# KiCad board clock25.kicad_pcb
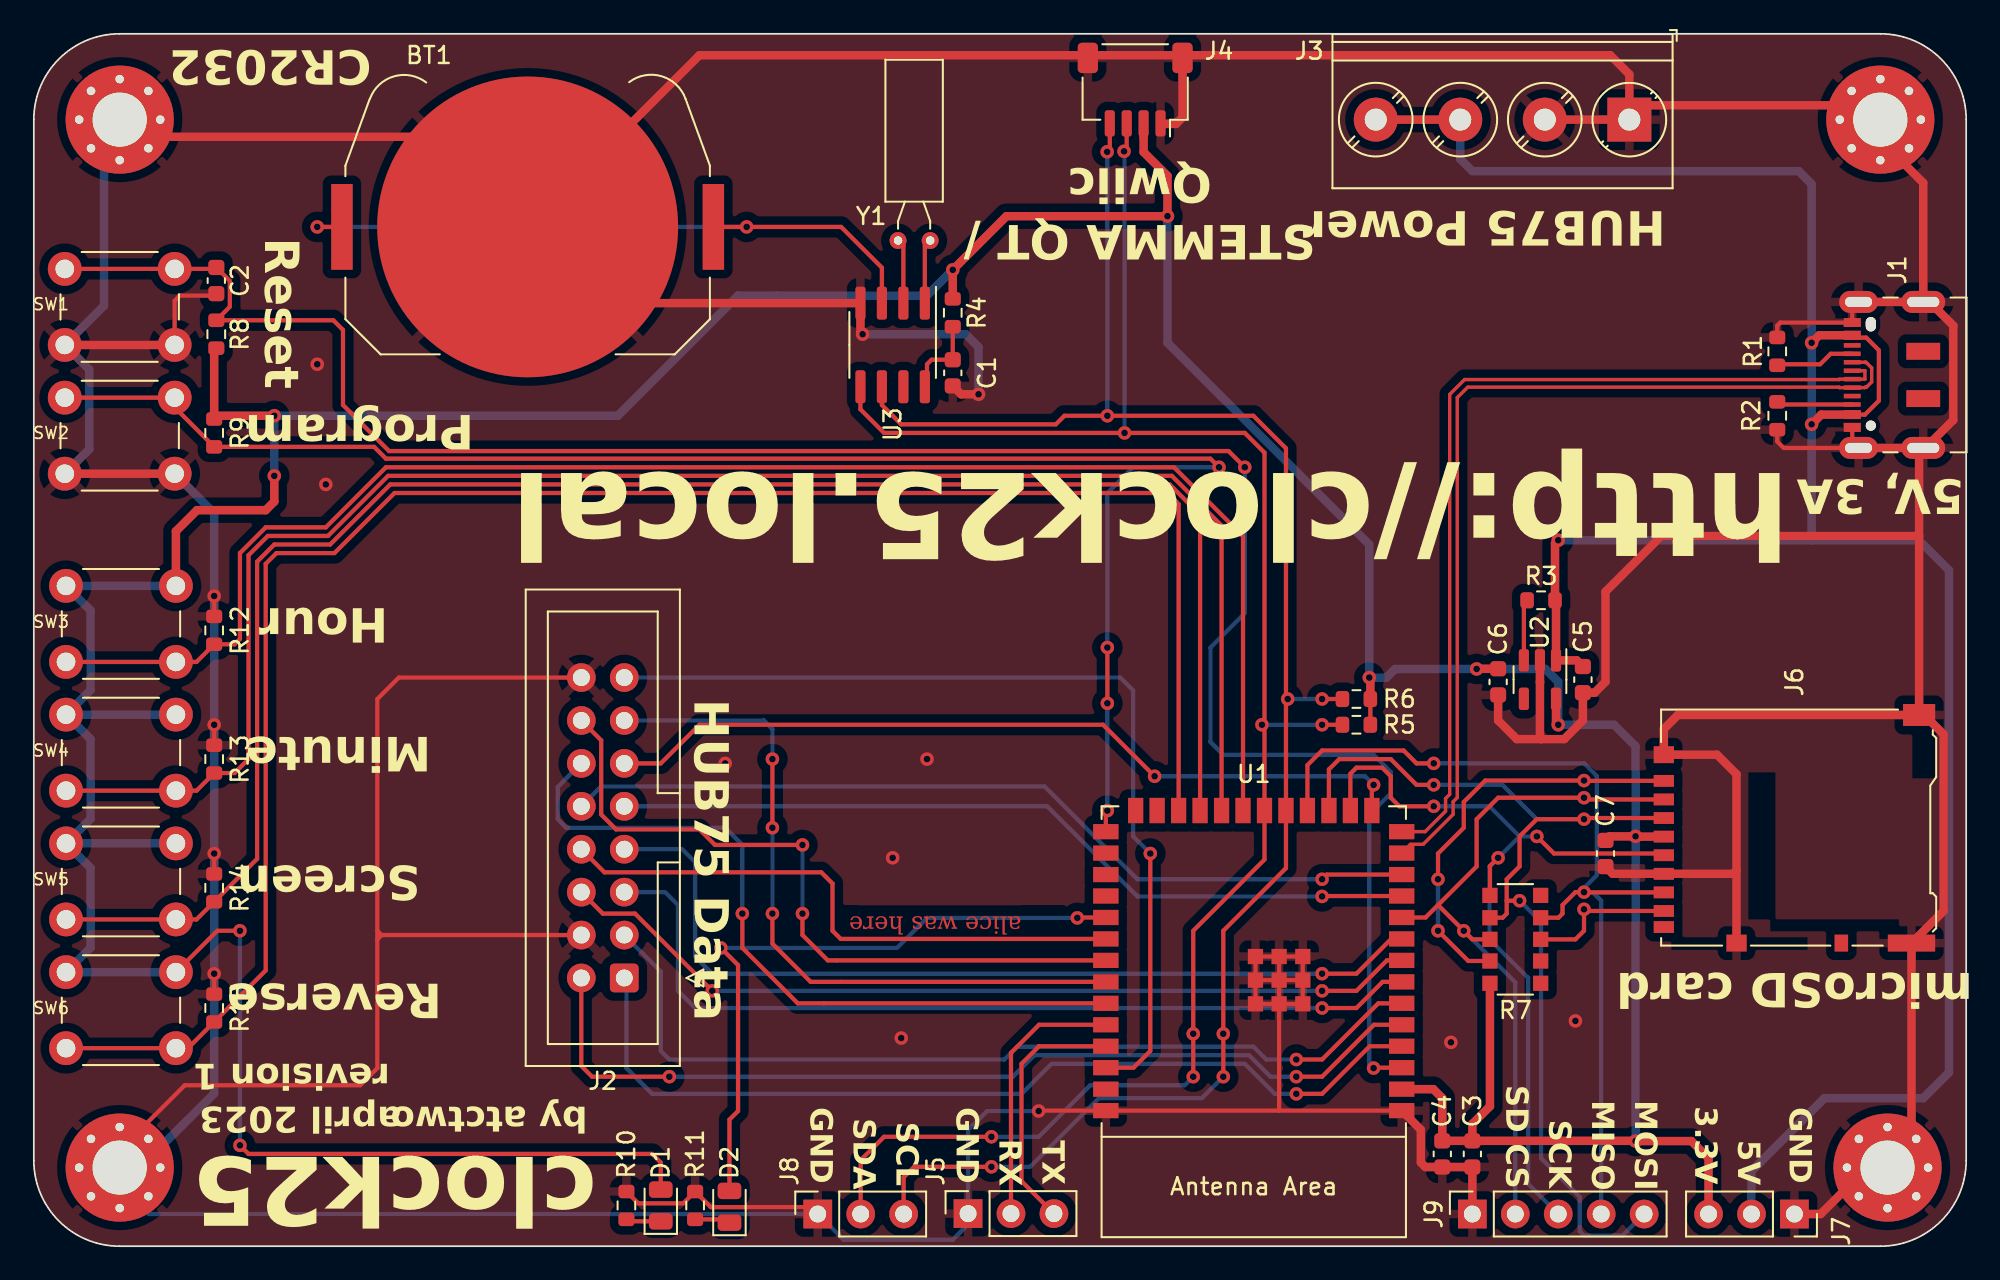
[diagram p0: board, top side]
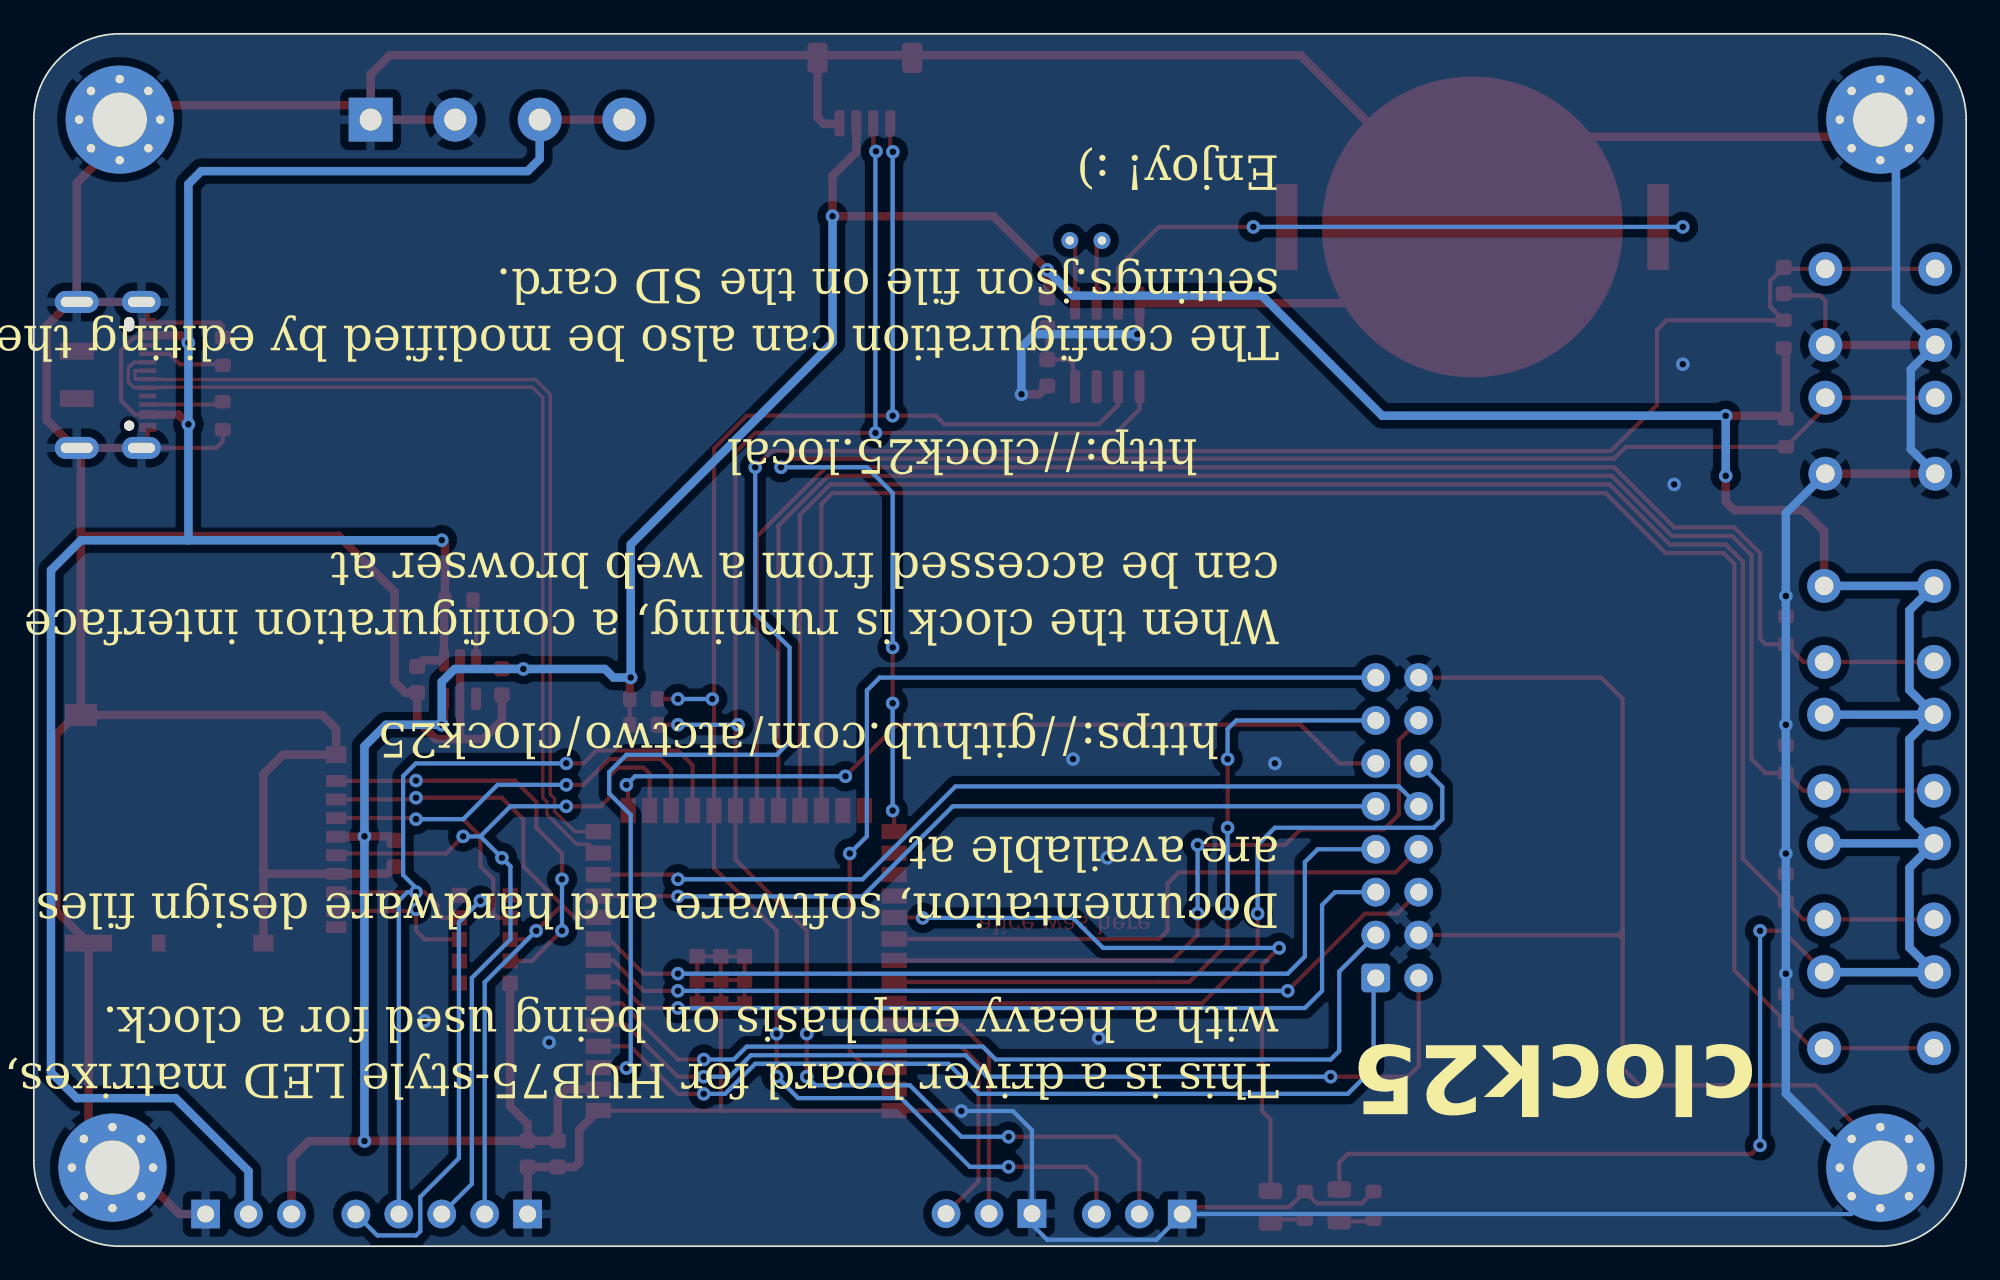
[diagram p1: board, bottom side, seen from below]

Outline 114.3 x 71.76 mm; copper layers: Top, Bottom. Coordinates in mm from the lower left corner of the outline.
Outline path: 0,66.68 0,5.08 arc(1.49,1.49) 5.08,0 109.22,0 arc(112.81,1.49) 114.3,5.08 114.3,66.68 arc(112.81,70.27) 109.22,71.76 5.08,71.76 arc(1.49,70.27) 0,66.68
Stack: Top 0.035mm / dielectric 1.51mm FR4 er 4.5 / Bottom 0.035mm

## Placement (name value [footprint] x y rotation side)
BT1  CR2032  [BatteryHolder_Keystone_3034_1x20mm]  29.21 60.33 180 top
C1  3.3µF  [C_0603_1608Metric]  54.36 51.69 270 top
C2  0.1µF  [C_0603_1608Metric]  10.79 57.15 270 top
C3  0.1µF  [C_0603_1608Metric]  85.09 5.46 270 top
C4  22µF  [C_0603_1608Metric]  83.31 5.46 270 top
C5  1µF  [C_0603_1608Metric]  91.63 33.53 270 top
C6  1µF  [C_0603_1608Metric]  86.61 33.4 270 top
C7  10µF  [C_0603_1608Metric]  92.96 23.24 270 top
D1  LED  [LED_0805_2012Metric]  37.08 2.41 90 top
D2  LED  [LED_0805_2012Metric]  41.15 2.33 90 top
J1  USB C  [USB_C_Receptacle_JAE_DX07S016JA1R1500]  110.61 51.57 90 top
J2  HUB75 Data  [IDC-Header_2x08_P2.54mm_Vertical]  34.92 15.88 180 top
J3  HUB75 Power  [TerminalBlock_Phoenix_PT-1,5-4-5.0-H_1x04_P5.00mm_Horizontal]  94.38 66.68 180 top
J4  STEMMA QT  [JST_SH_SM04B-SRSS-TB_1x04-1MP_P1.00mm_Horizontal]  65.14 68.45 180 top
J5  Serial  [PinSocket_1x03_P2.54mm_Vertical]  55.26 1.93 90 top
J6  microSD Card  [microSD_HC_Hirose_DM3AT-SF-PEJM5]  104.14 24.77 90 top
J7  Power  [PinSocket_1x03_P2.54mm_Vertical]  104.14 1.91 270 top
J8  I2C  [PinSocket_1x03_P2.54mm_Vertical]  46.37 1.91 90 top
J9  SPI  [PinSocket_1x05_P2.54mm_Vertical]  85.09 1.91 90 top
R1  5k1  [R_0603_1608Metric]  103.12 52.96 90 top
R2  5k1  [R_0603_1608Metric]  103.12 49.15 270 top
R3  10k  [R_0603_1608Metric]  89.15 38.23 0 top
R4  1k  [R_0603_1608Metric]  54.36 55.25 270 top
R5  4k7  [R_0603_1608Metric]  78.23 30.86 180 top
R6  4k7  [R_0603_1608Metric]  78.23 32.39 180 top
R7  47k  [R_Array_Convex_5x1206]  87.63 18.16 180 top
R8  10k  [R_0603_1608Metric]  10.79 53.98 90 top
R9  10k  [R_0603_1608Metric]  10.67 48.13 270 top
R10  500R  [R_0603_1608Metric]  35.05 2.41 90 top
R11  500R  [R_0603_1608Metric]  39.12 2.41 90 top
R12  10k  [R_0603_1608Metric]  10.67 36.45 90 top
R13  10k  [R_0603_1608Metric]  10.67 28.83 90 top
R14  10k  [R_0603_1608Metric]  10.67 21.21 90 top
R15  10k  [R_0603_1608Metric]  10.67 14.1 90 top
REF**  -  [MountingHole_3.2mm_M3_Pad_Via]  109.22 66.68 0 top
REF**#2  -  [MountingHole_3.2mm_M3_Pad_Via]  5.08 66.68 0 top
REF**#3  -  [MountingHole_3.2mm_M3_Pad_Via]  5.08 4.65 0 top
REF**#4  -  [MountingHole_3.2mm_M3_Pad_Via]  109.65 4.65 0 top
SW1  Reset  [SW_PUSH_6mm]  1.83 57.84 0 top
SW2  Program  [SW_PUSH_6mm]  1.83 50.22 0 top
SW3  Hour  [SW_PUSH_6mm]  1.91 39.08 0 top
SW4  Minute  [SW_PUSH_6mm]  1.91 31.46 0 top
SW5  Screen  [SW_PUSH_6mm]  1.91 23.84 0 top
SW6  Reverse  [SW_PUSH_6mm]  1.91 16.22 0 top
U1  -  [ESP32-S3-WROOM-1]  72.16 16.29 180 top
U2  AP2112K-3.3  [SOT-23-5]  89.09 33.53 270 top
U3  PCF8523T  [SOIC-8_3.9x4.9mm_P1.27mm]  50.8 53.34 270 top
Y1  Crystal  [Crystal_C38-LF_D3.0mm_L8.0mm_Horizontal]  53.02 59.52 180 top

## Library data of the parts
BT1 = -: Description: Single-cell battery
C1-C7 = -: Description: Unpolarized capacitor
D1 D2 = -: Description: Light emitting diode
J1 = -: Description: USB 2.0-only Type-C Receptacle connector
J2 = -: Description: Generic connector, double row, 02x08, odd/even pin numbering scheme (row 1 odd numbers, row 2 even numbers), script generated (kicad-library-utils/schlib/autogen/connector/)
J3 = -: Description: Generic screw terminal, single row, 01x04, script generated (kicad-library-utils/schlib/autogen/connector/)
J4 = -: Description: Generic connectable mounting pin connector, single row, 01x04, script generated (kicad-library-utils/schlib/autogen/connector/)
J5 J7 J8 = -: Description: Generic connector, single row, 01x03, script generated
J6 = -: Description: Micro SD Card Socket with card detection pins
J9 = -: Description: Generic connector, single row, 01x05, script generated
R1-R6 R8-R15 = -: Description: Resistor
R7 = -: Description: Generic connector, double row, 02x05, counter clockwise pin numbering scheme (similar to DIP package numbering), script generated (kicad-library-utils/schlib/autogen/connector/)
SW1-SW6 = -: Description: Push button switch, generic, two pins
U1 = -: Description: 2.4 GHz WiFi (802.11 b/g/n) and Bluetooth ® 5 (LE) module Built around ESP32S3 series of SoCs, Xtensa ® dualcore 32bit LX7 microprocessor Flash up to 16 MB, PSRAM up to 8 MB 36 GPIOs, rich set of peripherals Onboard PCB antenna
U2 = -: Description: 600mA low dropout linear regulator, with enable pin, 3.8V-6V input voltage range, 3.3V fixed positive output, SOT-23-5
U3 = -: Description: Realtime Clock/Calendar I2C Interface, SOIC-8
Y1 = -: Description: Two pin crystal

## Footprints (pads in the part's own frame, mm; a bottom-side part is the same pattern mirrored in y, then rotated)
BatteryHolder_Keystone_3034_1x20mm
  rect 1.27x5.08 smd: 1(-10.985,0) 1(10.985,0)
  round 17.8 smd: 2(0,0)
C_0603_1608Metric
  rrect 0.9x0.95 smd: 1(-0.775,0) 2(0.775,0)
Crystal_C38-LF_D3.0mm_L8.0mm_Horizontal
  round 1 hole 0.5: 1(0,0) 2(1.9,0)
ESP32-S3-WROOM-1
  rect 1.5x0.9 smd: 1(-8.75,8.26) 2(-8.75,6.99) 3(-8.75,5.72) 4(-8.75,4.45) 5(-8.75,3.18) 6(-8.75,1.91) 7(-8.75,0.64) 8(-8.75,-0.63) 9(-8.75,-1.9) 10(-8.75,-3.17) 11(-8.75,-4.44) 12(-8.75,-5.71) 13(-8.75,-6.98) 14(-8.75,-8.25) 27(8.75,-8.25) 28(8.75,-6.98) 29(8.75,-5.71) 30(8.75,-4.44) 31(8.75,-3.17) 32(8.75,-1.9) 33(8.75,-0.63) 34(8.75,0.64) 35(8.75,1.91) 36(8.75,3.18) 37(8.75,4.45) 38(8.75,5.72) 39(8.75,6.99) 40(8.75,8.26)
  rect 0.9x1.5 smd: 15(-6.985,-9.5) 16(-5.715,-9.5) 17(-4.445,-9.5) 18(-3.175,-9.5) 19(-1.905,-9.5) 20(-0.635,-9.5) 21(0.635,-9.5) 22(1.905,-9.5) 23(3.175,-9.5) 24(4.445,-9.5) 25(5.715,-9.5) 26(6.985,-9.5)
  rect 0.9x0.9 smd: 41(-2.9,1.94) 41(-2.9,0.54) 41(-2.9,-0.86) 41(-1.5,1.94) 41(-1.5,0.54) 41(-1.5,-0.86) 41(-0.1,1.94) 41(-0.1,0.54) 41(-0.1,-0.86)
IDC-Header_2x08_P2.54mm_Vertical
  rrect 1.7x1.7 hole 1: 1(0,0)
  round 1.7 hole 1: 2(2.54,0) 3(0,-2.54) 4(2.54,-2.54) 5(0,-5.08) 6(2.54,-5.08) 7(0,-7.62) 8(2.54,-7.62) 9(0,-10.16) 10(2.54,-10.16) 11(0,-12.7) 12(2.54,-12.7) 13(0,-15.24) 14(2.54,-15.24) 15(0,-17.78) 16(2.54,-17.78)
JST_SH_SM04B-SRSS-TB_1x04-1MP_P1.00mm_Horizontal
  rrect 0.6x1.55 smd: 1(-1.5,2) 2(-0.5,2) 3(0.5,2) 4(1.5,2)
  rrect 1.2x1.8 smd: MP(-2.8,-1.875) MP(2.8,-1.875)
LED_0805_2012Metric
  rrect 0.975x1.4 smd: 1(-0.938,0) 2(0.938,0)
microSD_HC_Hirose_DM3AT-SF-PEJM5
  rect 0.7x1.2 smd: 1(2.775,7.725) 2(1.675,7.725) 3(0.575,7.725) 4(-0.525,7.725) 5(-1.625,7.725) 6(-2.725,7.725) 7(-3.825,7.725) 8(-4.925,7.725) 9(-5.875,7.725)
  rect 1x0.8 smd: 10(-6.825,-2.775)
  rect 1x1.2 smd: 11(-6.825,3.425) 11(4.325,7.725)
  rect 1x2.8 smd: 11(-6.825,-6.925)
  rect 1.3x1.9 smd: 11(6.675,-7.375)
MountingHole_3.2mm_M3_Pad_Via
  round 0.8 hole 0.5: 1(-2.4,0) 1(-1.697,1.697) 1(-1.697,-1.697) 1(0,2.4) 1(0,-2.4) 1(1.697,1.697) 1(1.697,-1.697) 1(2.4,0)
  round 6.4 hole 3.2: 1(0,0)
PinSocket_1x03_P2.54mm_Vertical
  rect 1.7x1.7 hole 1: 1(0,0)
  oval 1.7x1.7 hole 1: 2(0,-2.54) 3(0,-5.08)
PinSocket_1x05_P2.54mm_Vertical
  rect 1.7x1.7 hole 1: 1(0,0)
  oval 1.7x1.7 hole 1: 2(0,-2.54) 3(0,-5.08) 4(0,-7.62) 5(0,-10.16)
R_0603_1608Metric
  rrect 0.8x0.95 smd: 1(-0.825,0) 2(0.825,0)
R_Array_Convex_5x1206
  rect 0.9x0.9 smd: 1(-1.5,2.6) 2(-1.5,1.28) 3(-1.5,0) 4(-1.5,-1.28) 5(-1.5,-2.6) 6(1.5,-2.6) 7(1.5,-1.28) 8(1.5,0) 9(1.5,1.28) 10(1.5,2.6)
SOIC-8_3.9x4.9mm_P1.27mm
  rrect 1.95x0.6 smd: 1(-2.475,1.905) 2(-2.475,0.635) 3(-2.475,-0.635) 4(-2.475,-1.905) 5(2.475,-1.905) 6(2.475,-0.635) 7(2.475,0.635) 8(2.475,1.905)
SOT-23-5
  rrect 1.325x0.6 smd: 1(-1.137,0.95) 2(-1.137,0) 3(-1.137,-0.95) 4(1.137,-0.95) 5(1.137,0.95)
SW_PUSH_6mm
  round 2 hole 1.1: 1(0,0) 1(6.5,0) 2(0,-4.5) 2(6.5,-4.5)
TerminalBlock_Phoenix_PT-1,5-4-5.0-H_1x04_P5.00mm_Horizontal
  rect 2.6x2.6 hole 1.3: 1(0,0)
  round 2.6 hole 1.3: 2(5,0) 3(10,0) 4(15,0)
USB_C_Receptacle_JAE_DX07S016JA1R1500
  round 0.6 hole 0.6 unplated: (-3,1.95)
  rect 1x2 smd: (-1.4,-1.15) (1.4,-1.15)
  oval 0.85x0.6 hole 0.85x0.6 unplated: (3,1.95)
  rect 0.52x1 smd: A1(-3.1,3.05) A4(-2.35,3.05) A9(2.35,3.05) A12(3.1,3.05) B1(3.1,3.05) B4(2.35,3.05) B9(-2.35,3.05) B12(-3.1,3.05)
  rect 0.27x1 smd: A5(-1.75,3.05) A6(-0.25,3.05) A7(0.75,3.05) A8(1.75,3.05) B5(1.25,3.05) B6(0.25,3.05) B7(-0.75,3.05) B8(-1.25,3.05)
  oval 1.3x2.3 hole 0.6x1.6: S1(-4.32,2.675) S1(4.32,2.675)
  oval 1.3x2.6 hole 0.6x1.9: S1(-4.32,-1.15) S1(4.32,-1.15)

## Nets
+3V3: C3.1 C4.1 C6.1 C7.1 D1.2 J4.2 J6.4 J7.3 R4.1 R5.1 R6.1 R7.10 R8.1 R9.1 SW3.1 SW4.1 SW5.1 SW6.1 U1.2 U2.5
+5V: C5.1 J1.A4 J1.A9 J1.B4 J1.B9 J3.3 J3.4 J7.2 R3.2 U2.1
GND: BT1.2 C1.2 C2.2 C3.2 C4.2 C5.2 C6.2 C7.2 J1.A1 J1.A12 J1.B1 J1.B12 J1.S1 J2.4 J2.16 J3.1 J3.2 J4.1 J4.MP J5.1 J6.6 J6.11 J7.1 J8.1 J9.1 R1.2 R2.2 R10.2 R11.2 R12.2 R13.2 R14.2 R15.2 REF**.1 REF**#2.1 REF**#3.1 REF**#4.1 SW1.2 SW2.2 U1.1 U1.40 U1.41 U2.2 U3.4
BTN_HOUR: R12.1 SW3.2 U1.21
BTN_MINUTE: R13.1 SW4.2 U1.22
BTN_REVERSE: R15.1 SW6.2 U1.24
BTN_SCREEN: R14.1 SW5.2 U1.23
ESP_EN: C2.1 R8.2 SW1.1 U1.3
ESP_IO0: R9.2 SW2.1 U1.27
ESP_RX: J5.2 U1.36
ESP_TX: J5.3 U1.37
HUB75_A: J2.9 U1.11
HUB75_B: J2.10 U1.12
HUB75_B1: J2.3 U1.6
HUB75_B2: J2.7 U1.9
HUB75_C: J2.11 U1.15
HUB75_CLK: J2.13 U1.34
HUB75_D: J2.12 U1.35
HUB75_E: J2.8 U1.32
HUB75_G1: J2.2 U1.5
HUB75_G2: J2.6 U1.8
HUB75_LAT: J2.14 U1.33
HUB75_OE: J2.15 U1.38
HUB75_R1: J2.1 U1.4
HUB75_R2: J2.5 U1.7
LED: D2.2 U1.31
SCL: J4.4 J8.3 R6.2 U1.19 U3.6
SD_DAT1: J6.8 R7.3
SD_DAT2: J6.1 R7.9
SD_DET_A: J6.10
SD_DET_B: J6.9
SDA: J4.3 J8.2 R5.2 U1.20 U3.5
SPI_MISO: J6.7 J9.4 R7.4 U1.18
SPI_MOSI: J6.3 J9.5 R7.7 U1.17
SPI_SCK: J6.5 J9.3 R7.6 U1.16
SPI_SD_CS: J6.2 J9.2 R7.8 U1.10
USB_D+: J1.A6 J1.B6 U1.14
USB_D-: J1.A7 J1.B7 U1.13
Net-(BT1-+): BT1.1 U3.3
Net-(D1-K): D1.1 R10.1
Net-(D2-K): D2.1 R11.1
Net-(J1-CC1): J1.A5 R2.1
Net-(J1-CC2): J1.B5 R1.1
Net-(U2-EN): R3.1 U2.3
Net-(U3-OSCI): U3.1 Y1.1
Net-(U3-OSCO): U3.2 Y1.2
Net-(U3-VDD): C1.1 R4.2 U3.8

Pads without a net: J1 A8 B8; R7 1 2 5; U1 25 26 28 29 30 39; U2 4; U3 7

## Via types
v1: diameter 0.8, hole 0.4, Top to Bottom, 86 vias

## Routing (per net, layer and track width the routed paths; a pad name or vN(x,y) marks a point on that pad's centre or on a via; arc(x,y) is an arc through that point)
+3V3: length 303.2
  Top w0.25: SW6.1 10.85,18.67 v1(12.19,18.67) ; R5.1 R6.1 ; v1(12.19,5.97) 12.7,5.46 36.58,5.46 37.08,4.95 D1.2 ; R4.1 54.36,56.26
  Top w0.5: C7.1 93.2,24.26 v1(94.74,24.26) 94.76,24.24 96.41,24.24 ; v1(14.22,49.15) 10.86,49.15 R9.1 10.67,53.02 R8.1 ; R7.10 86.13,8.28 85.09,7.24 C3.1 ; R6.1 79.06,33.59 v1(78.99,33.66) ; R4.1 v1(54.36,57.79) 57.53,60.96 v1(67.06,60.96) 67.06,63.34 65.64,64.76 65.64,65.66 65.64,65.55 ; SW3.1 8.41,42.31 9.65,43.56 13.72,43.56 14.22,44.07 v1(14.22,45.59) ; C3.1 94.73,6.24 v1(94.74,6.22) 98.04,6.22 99.06,5.21 J7.3 ; C3.1 C4.1 83.31,8.76 82.78,9.3 U1.2 ; C6.1 85.36,34.18 v1(85.34,34.16) ; v1(90.17,30.86) 90.04,30.99 U2.5
  Bottom w0.25: v1(12.19,5.97) v1(12.19,18.67)
  Bottom w0.5: SW5.1 3.35,25.29 3.35,30.01 SW4.1 ; SW5.1 SW5.1 ; SW5.1 3.35,22.39 3.35,17.67 SW6.1 SW6.1 ; v1(14.22,45.59) v1(14.22,49.15) 34.54,49.15 41.66,56.26 52.83,56.26 v1(54.36,57.79) ; v1(94.74,6.22) v1(94.74,24.26) 94.74,29.59 93.47,30.86 v1(90.17,30.86) 90.17,33.4 89.41,34.16 v1(85.34,34.16) 80.52,34.16 80.01,33.66 v1(78.99,33.66) 78.99,41.53 67.06,53.47 v1(67.06,60.96) ; SW4.1 SW4.1 ; SW4.1 3.35,32.91 3.35,37.63 SW3.1 SW3.1
+5V: length 141.1
  Top w0.25: J1.A4 108.31,49.22 109.14,50.04 109.14,53.02 108.38,53.78 107.7,53.78 J1.A9
  Top w0.5: J1.A4 105.73,49.22 v1(105.16,48.64) ; C5.1 91.27,34.67 U2.1 90.04,38.17 R3.2 89.98,41.59 v1(90.17,41.78) ; J3.3 J3.4 ; v1(105.16,53.47) 105.6,53.92 J1.A9
  Bottom w0.5: 105.16,41.78 v1(105.16,48.64) v1(105.16,53.47) 105.16,62.87 104.39,63.63 85.09,63.63 84.38,64.34 J3.3 ; 105.16,41.78 v1(90.17,41.78) ; 105.16,41.78 111.51,41.78 113.28,40.01 113.28,10.29 111.76,8.76 105.92,8.76 101.6,4.44 J7.2
GND: length 622.1
  Top w0.25: U1.41 U1.41 73.66,8.03 ; 73.66,8.03 63.52,8.03 63.5,8 63.48,8.03 U1.40 59.46,8.03 v1(59.44,8) ; 73.66,8.03 U1.1 ; R13.2 v1(10.67,30.86) ; R15.2 v1(10.67,16.13) ; 20.57,18.42 20.32,18.16 ; 20.57,18.42 20.32,18.67 ; 20.57,18.42 J2.4 ; 20.32,18.16 20.32,10.54 19.3,9.53 8.93,9.53 5.08,5.68 REF**#3.1 ; 20.32,18.16 20.32,18.67 ; 107.94,55.89 107.56,55.51 J1.A12 103.31,54.67 103.12,54.48 R1.2 ; J8.1 45.96,2.31 40.04,2.31 R11.2 38.42,2.54 35.75,2.54 R10.2 ; 20.32,18.67 20.32,32.39 21.59,33.66 J2.16 ; C2.2 10.68,56.26 8.64,56.26 8.33,55.96 SW1.2 ; 10.67,37.27 v1(10.67,38.48) ; 103.12,48.32 103.12,47.62 103.5,47.25 107.94,47.25 107.56,47.62 J1.A1 ; R14.2 v1(10.67,23.24) ; U1.41 U1.41 ; U1.41 U1.41 U1.41 U1.41 U1.41
  Top w0.5: J9.1 C3.2 C4.2 82.31,4.69 82.04,4.95 82.04,6.89 U1.1 ; REF**#2.1 6.28,66.68 7.29,65.66 23.88,65.66 BT1.2 ; 68.07,70.36 67.94,70.48 ; 67.94,70.48 39.37,70.48 BT1.2 ; 67.94,70.48 93.25,70.48 94.38,69.36 J3.1 ; 89.15,30.01 90.52,30.01 91.63,31.12 C5.2 92.32,32.76 92.96,33.4 92.96,38.73 96.27,42.04 111.51,42.04 ; 89.15,30.01 89.09,30.08 U2.2 ; 89.15,30.01 87.72,30.01 86.61,31.12 C6.2 ; 100.72,22.23 100.72,17.94 ; 100.72,22.23 100.53,22.04 J6.6 93.39,22.04 C7.2 ; 100.72,22.23 100.72,27.94 99.56,29.09 J6.11 96.41,30.61 97.25,31.44 111.51,31.44 ; SW2.2 SW2.2 ; C1.2 54.85,50.42 v1(55.88,50.42) ; SW1.2 SW1.2 ; BT1.2 33.72,55.82 U3.4 48.89,54.1 v1(49.02,53.98) ; J3.1 J3.2 ; J3.1 95.22,67.53 107.17,67.53 108.02,66.68 REF**.1 110.07,65.83 110.07,64.63 111.76,62.93 J1.S1 ; 111.51,42.04 111.51,47 J1.S1 ; 111.51,42.04 111.51,31.44 ; J7.1 105.7,1.91 107.6,3.81 108.8,3.81 REF**#4.1 110.49,5.5 110.49,6.7 111.06,7.27 111.06,17.94 112.97,19.84 112.97,30.29 111.81,31.44 111.51,31.44 ; J1.S1 107.94,55.89 ; J1.S1 112.14,55.89 113.54,54.48 113.54,48.9 111.89,47.25 J1.S1 ; J1.S1 107.94,47.25 ; J4.1 66.68,66.42 67.56,66.42 67.94,66.8 J4.MP
  Bottom w0.25: v1(59.44,8) 56.39,8 55.26,6.87 J5.1 55.26,1.28 54.36,0.38 47.89,0.38 J8.1 6.8,1.91 5.08,3.63 REF**#3.1
  Bottom w0.5: SW2.2 3.28,47.17 3.28,51.89 SW1.2 4.15,55.66 4.15,64.55 5.08,65.48 REF**#2.1 ; v1(49.02,53.98) 55.12,53.98 55.88,53.21 v1(55.88,50.42) ; SW2.2 10.67,43.38 v1(10.67,38.48) v1(10.67,30.86) v1(10.67,23.24) v1(10.67,16.13) 10.67,9.04 7.13,5.5 5.93,5.5 REF**#3.1
  vias: v1(16.76,52.2) v1(17.27,45.09) v1(40.89,28.58) v1(50.8,22.99) v1(51.31,12.32) v1(52.83,28.83) v1(83.82,12.07) v1(91.19,13.34)
BTN_HOUR: length 95.3
  Top w0.25: U1.21 71.53,42.02 67.44,46.1 20.83,46.1 17.27,42.55 13.72,42.55 12.19,41.02 12.19,35.94 11.88,35.62 R12.1 9.62,34.58 SW3.2 SW3.2
BTN_MINUTE: length 101.2
  Top w0.25: SW4.2 SW4.2 9.62,26.96 R13.1 11.88,28 12.7,28.83 12.7,40.89 13.84,42.04 17.4,42.04 20.96,45.59 67.31,45.59 70.25,42.65 U1.22
BTN_REVERSE: length 111.9
  Top w0.25: SW6.2 SW6.2 9.12,11.72 R15.1 13.72,16.32 13.72,40.38 14.35,41.02 17.78,41.02 21.34,44.58 67.06,44.58 67.72,43.92 U1.24
BTN_SCREEN: length 106.3
  Top w0.25: U1.23 68.98,43.28 67.18,45.09 21.08,45.09 17.53,41.53 14.22,41.53 13.21,40.51 13.21,22.92 R14.1 9.62,19.34 SW5.2 SW5.2
ESP_EN: length 128.2
  Top w0.25: SW1.1 SW1.1 10.71,57.84 C2.1 11.59,57.12 11.59,55.6 R8.2 17.72,54.8 18.29,54.23 18.29,49.79 21.01,47.06 70.67,47.06 v1(71.63,46.1) ; U1.3 79.27,10.57 v1(79.25,10.54)
  Bottom w0.25: v1(79.25,10.54) 78.99,10.8 78.99,25.53 80.26,26.8 80.26,28.07 79.25,29.08 70.36,29.08 69.6,29.84 69.6,35.43 71.63,37.47 v1(71.63,46.1)
ESP_IO0: length 97.6
  Top w0.25: v1(63.5,25.78) 63.41,25.69 U1.27 ; v1(63.5,32.13) v1(63.5,35.43) ; v1(70.1,46.1) 69.6,46.61 20.83,46.61 20.13,47.31 R9.2 8.33,49.65 SW2.1 SW2.1
  Bottom w0.25: v1(63.5,25.78) v1(63.5,32.13) ; v1(63.5,35.43) 63.5,44.58 65.02,46.1 v1(70.1,46.1)
ESP_RX: length 15.8
  Top w0.25: J5.2 57.8,11.45 59.46,13.11 U1.36
ESP_TX: length 15.1
  Top w0.25: J5.3 58.42,3.85 58.42,10.8 59.46,11.84 U1.37
HUB75_A: length 48.2
  Top w0.25: v1(76.2,20.7) 76.22,20.73 U1.11
  Bottom w0.25: v1(76.2,20.7) 65.28,20.7 59.94,26.04 J2.9
HUB75_B: length 51.4
  Top w0.25: U1.12 76.48,22 v1(76.2,21.72)
  Bottom w0.25: v1(76.2,21.72) 65.28,21.72 59.78,27.21 33.56,27.21 J2.10
HUB75_B1: length 53.8
  Top w0.25: v1(74.68,11.05) 76.2,11.05 79.53,14.38 U1.6
  Bottom w0.25: J2.3 37.08,16.26 37.08,11.56 37.59,11.05 57.4,11.05 58.17,11.81 72.14,11.81 72.9,11.05 v1(74.68,11.05)
HUB75_B2: length 53.2
  Top w0.25: U1.9 80.29,18.19 78.23,16.13 v1(76.2,16.13)
  Bottom w0.25: J2.7 38.35,23.5 39.12,22.73 39.12,17.15 40.13,16.13 v1(76.2,16.13)
HUB75_C: length 48.3
  Top w0.25: v1(79.25,27.31) 79.14,27.2 79.14,25.79 ; J2.11 37.08,28.58 39.37,30.86 63.25,30.86 v1(66.29,27.81)
  Bottom w0.25: v1(79.25,27.31) 78.74,27.81 v1(66.29,27.81)
HUB75_CLK: length 42.3
  Top w0.25: v1(43.69,24.77) v1(43.69,28.83) ; U1.34 45.95,15.65 43.69,17.91 v1(43.69,19.69)
  Bottom w0.25: v1(43.69,19.69) v1(43.69,24.77) ; J2.13 43.18,31.12 43.69,30.61 v1(43.69,28.83)
HUB75_D: length 44.4
  Top w0.25: v1(41.91,19.69) 41.91,17.65 45.19,14.38 U1.35
  Bottom w0.25: J2.12 30.99,27.18 30.99,25.27 31.5,24.77 40.89,24.77 41.91,23.75 v1(41.91,19.69)
HUB75_E: length 34.9
  Top w0.25: J2.8 33.75,22.13 46.58,22.13 47.24,21.46 47.24,18.67 47.73,18.19 U1.32
HUB75_G1: length 56.3
  Top w0.25: v1(37.59,10.03) 33.02,10.03 32.38,10.67 J2.2 ; v1(74.68,10.03) 76.2,10.03 79.27,13.11 U1.5
  Bottom w0.25: v1(37.59,10.03) 57.91,10.03 59.18,11.3 71.88,11.3 73.15,10.03 v1(74.68,10.03)
HUB75_G2: length 51.7
  Top w0.25: U1.8 80.03,16.92 78.23,15.11 v1(76.2,15.11) ; J2.6 33.66,19.69 35.56,19.69 v1(40.13,15.11)
  Bottom w0.25: v1(76.2,15.11) v1(40.13,15.11)
HUB75_LAT: length 42.6
  Top w0.25: U1.33 46.97,16.92 45.47,18.42 v1(45.47,19.69) ; v1(45.47,23.75) 40.29,23.75 39.37,24.67 34.44,24.67 33.56,25.55 33.56,29.94 J2.14
  Bottom w0.25: v1(45.47,19.69) v1(45.47,23.75)
HUB75_OE: length 55.2
  Top w0.25: U1.38 65.05,10.57 66.04,11.56 v1(66.04,23.24)
  Bottom w0.25: J2.15 64.26,33.66 65.02,32.89 65.02,24.26 v1(66.04,23.24)
HUB75_R1: length 54.5
  Top w0.25: U1.4 79.02,11.84 76.2,9.02 v1(74.68,9.02)
  Bottom w0.25: J2.1 35.05,15.75 35.05,10.54 36.58,9.02 58.42,9.02 60.2,10.8 71.63,10.8 73.41,9.02 v1(74.68,9.02)
HUB75_R2: length 52.4
  Top w0.25: U1.7 79.78,15.65 78.23,14.1 v1(76.2,14.1)
  Bottom w0.25: J2.5 37.34,20.96 38.1,20.19 38.1,15.11 39.12,14.1 v1(76.2,14.1)
LED: length 38.5
  Top w0.25: v1(40.64,17.65) 41.66,16.64 41.66,8 41.15,7.49 D2.2 ; v1(61.72,19.43) 61.75,19.46 U1.31
  Bottom w0.25: v1(61.72,19.43) 52.83,19.43 51.05,17.65 v1(40.64,17.65)
SCL: length 109.3
  Top w0.25: v1(76.2,32.39) R6.2 ; J8.3 51.45,4.08 52.07,4.7 v1(56.64,4.7) ; U3.6 50.16,49.78 51.31,48.64 60.45,48.64 60.96,49.15 72.14,49.15 74.06,47.22 U1.19 74.06,22.38 70.36,18.67 v1(70.36,12.57) v1(70.36,10.03) ; v1(63.49,64.77) 63.64,64.93 J4.4
  Bottom w0.25: v1(76.2,32.39) v1(74.17,32.39) ; v1(63.5,49.15) 63.5,64.76 v1(63.49,64.77) ; v1(56.64,4.7) 58.93,4.7 62.99,8.76 69.09,8.76 v1(70.36,10.03)
SD_DAT1: length 8.9
  Top w0.25: v1(91.69,19.94) 91.69,18.67 91.19,18.16 R7.3 ; v1(91.69,19.94) 91.59,19.84 ; v1(91.69,19.94) 91.79,19.84 J6.8
SD_DAT2: length 24.7
  Top w0.25: v1(91.69,27.56) 85.85,27.56 84.58,26.29 84.58,24.77 83.06,23.24 v1(83.06,21.72) ; v1(91.69,27.56) 91.95,27.54 91.97,27.54 ; v1(91.69,27.56) 91.99,27.54 J6.1 ; R7.9 84.85,16.88 v1(83.06,18.67)
  Bottom w0.25: v1(83.06,18.67) v1(83.06,21.72)
SDA: length 113
  Top w0.25: v1(64.49,64.8) 64.64,64.96 J4.3 ; U3.5 48.89,49.53 50.29,48.13 71.63,48.13 72.79,46.97 U1.20 72.79,22.88 68.58,18.67 v1(68.58,12.57) v1(68.58,10.03) ; v1(56.64,6.48) 50.29,6.48 48.91,5.09 J8.2 ; v1(76.2,30.86) R5.2
  Bottom w0.25: v1(56.64,6.48) 59.44,6.48 62.48,9.53 68.07,9.53 v1(68.58,10.03) ; v1(64.49,64.8) 64.52,64.77 v1(64.52,48.13) ; v1(72.64,30.86) v1(76.2,30.86)
SPI_MISO: length 56
  Top w0.25: U1.18 75.34,28.47 76.2,29.34 81.03,29.34 81.79,28.58 v1(82.8,28.58) ; R7.4 90.18,19.44 90.42,19.69 90.42,20.19 91.19,20.96 v1(91.69,20.96) 91.71,20.94 96.41,20.94
  Bottom w0.25: J9.4 92.71,20.45 92.2,20.96 v1(91.69,20.96) 91.69,21.21 92.46,21.97 92.46,27.82 91.7,28.58 v1(82.8,28.58)
SPI_MOSI: length 60.5
  Top w0.25: v1(91.69,25.27) 88.9,25.27 87.88,24.26 87.88,22.48 87.12,21.72 87.12,20.45 ; v1(91.69,25.27) 91.76,25.34 J6.3 ; v1(91.69,25.27) 91.63,25.34 ; v1(82.8,27.31) 81.79,27.31 80.26,28.83 77.22,28.83 76.6,28.22 U1.17 ; R7.7 86.88,19.44 87.12,19.69 87.12,20.45 ; 87.12,20.45 v1(87.88,20.45)
  Bottom w0.25: v1(82.8,27.31) 86.87,27.31 88.9,25.27 v1(91.69,25.27) ; J9.5 93.98,0.64 91.69,0.64 91.44,0.89 91.44,2.92 89.15,5.21 89.15,19.18 v1(87.88,20.45)
SPI_SCK: length 51
  Top w0.25: v1(82.8,26.04) 80.77,26.04 80.26,26.54 80.26,27.81 79.76,28.32 78.23,28.32 77.88,27.96 U1.16 ; R7.6 86.13,22.5 v1(86.61,22.99) ; v1(88.9,24.25) 89.92,23.24 96.31,23.24 J6.5
  Bottom w0.25: v1(82.8,26.04) 86.11,26.04 87.88,24.26 ; 87.88,24.26 87.89,24.25 v1(88.9,24.25) ; 87.88,24.26 v1(86.61,22.99) 86.11,22.48 86.11,18.16 88.39,15.88 88.39,3.68 J9.3
SPI_SD_CS: length 42.2
  Top w0.25: 96.41,26.44 91.8,26.44 v1(91.69,26.54) ; v1(91.69,26.54) 91.59,26.44 ; v1(91.69,26.54) 86.61,26.54 85.34,25.27 85.34,22.48 83.06,20.19 ; 83.06,20.19 82.32,19.46 U1.10 ; 83.06,20.19 85.09,18.16 R7.8
  Bottom w0.25: J9.2 87.63,15.62 v1(84.58,18.67)
USB_D+: length 54
  Top w0.2: U1.14 82.29,24.54 83.5,25.75 83.5,26.5 83.75,26.74 83.75,50.41 84.63,51.29 106.78,51.29 106.81,51.32 J1.A6 108.31,51.32 108.31,51.82 J1.B6
USB_D-: length 55.8
  Top w0.2: 108.31,52.32 108.38,52.32 108.71,51.98 108.71,51.15 108.4,50.84 108.34,50.84 108.31,50.82 J1.B7 106.81,50.82 106.78,50.84 84.81,50.84 84.2,50.23 84.2,26.55 83.95,26.31 83.95,25.56 82.18,23.79 81.43,23.79 U1.13 ; 108.31,52.32 J1.A7 ; 108.31,52.32 108.34,52.29
Net-(BT1-+): length 39.9
  Top w0.25: BT1.1 v1(42.16,60.33) 47.75,60.33 50.16,57.91 U3.3 ; BT1.1 v1(16.76,60.33)
  Bottom w0.25: v1(16.76,60.33) v1(42.16,60.33)
Net-(D1-K): length 2.1
  Top w0.25: D1.1 35.16,1.48 R10.1
Net-(D2-K): length 2.1
  Top w0.25: R11.1 40.96,1.59 D2.1
Net-(J1-CC1): length 4.5
  Top w0.25: J1.A5 103.28,49.82 R2.1
Net-(J1-CC2): length 4.7
  Top w0.25: R1.1 103.19,52.2 105.66,52.2 106.28,52.82 J1.B5
Net-(U2-EN): length 3.6
  Top w0.25: U2.3 88.14,38.04 R3.1
Net-(U3-OSCI): length 3.8
  Top w0.25: U3.1 52.7,59.21 Y1.1
Net-(U3-OSCO): length 3.8
  Top w0.25: Y1.2 51.44,59.21 51.44,55.82
Net-(U3-VDD): length 5
  Top w0.25: U3.8 52.83,50.99 52.83,52.2 53.1,52.46 C1.1 R4.2

## Copper pours and planes (outline as drawn; the poured copper is in the pictures)
GND on Top, Bottom: -4.32,75.06 -4.32,-0.89 117.6,-1.4 117.09,74.3

## Text on the board
B.Silkscreen: This is a driver board for HUB75-style LED matrixes, / with a heavy emphasis on being used for a clock. / Documentation, software and hardware design files / are available at / https://github.com/atctwo/clock25 / When the clock is running, a configuration interface / can be accessed from a web browser at / http://clock25.local / The configuration can also be modified by editing the / settings.json file on the SD card. / Enjoy! :) | clock25
Top: alice was here
F.Silkscreen: GND | SDA | SCL | RX | TX | SD CS | SCK | MISO | MOSI | 3.3V | 5V | revision 1 | april 2023 | by atctwo | Hour | Screen | Minute | Reverse | Program | HUB75 Power | CR2032 | STEMMA QT / / Qwiic | microSD card | 5V, 3A | Reset | HUB75 Data | clock25 | http://clock25.local
User.3: HUB75
